# Altium PCB LimeSDR-Micro_mPCIe_1v3.PcbDoc (part 4 of 9)
Units mm, origin at the board's own origin, x right, y up, seen from the top; angles counter-clockwise.
Board outline 50.8 x 29.7 mm, 8 copper layers (Top, L2, L3, L4, L5, L6, L7, Bottom), stack 0.925 mm thick; 666 components, 390 nets, 2363 pads, 827 vias.
Unrouted connection lines stored in the file: 28.
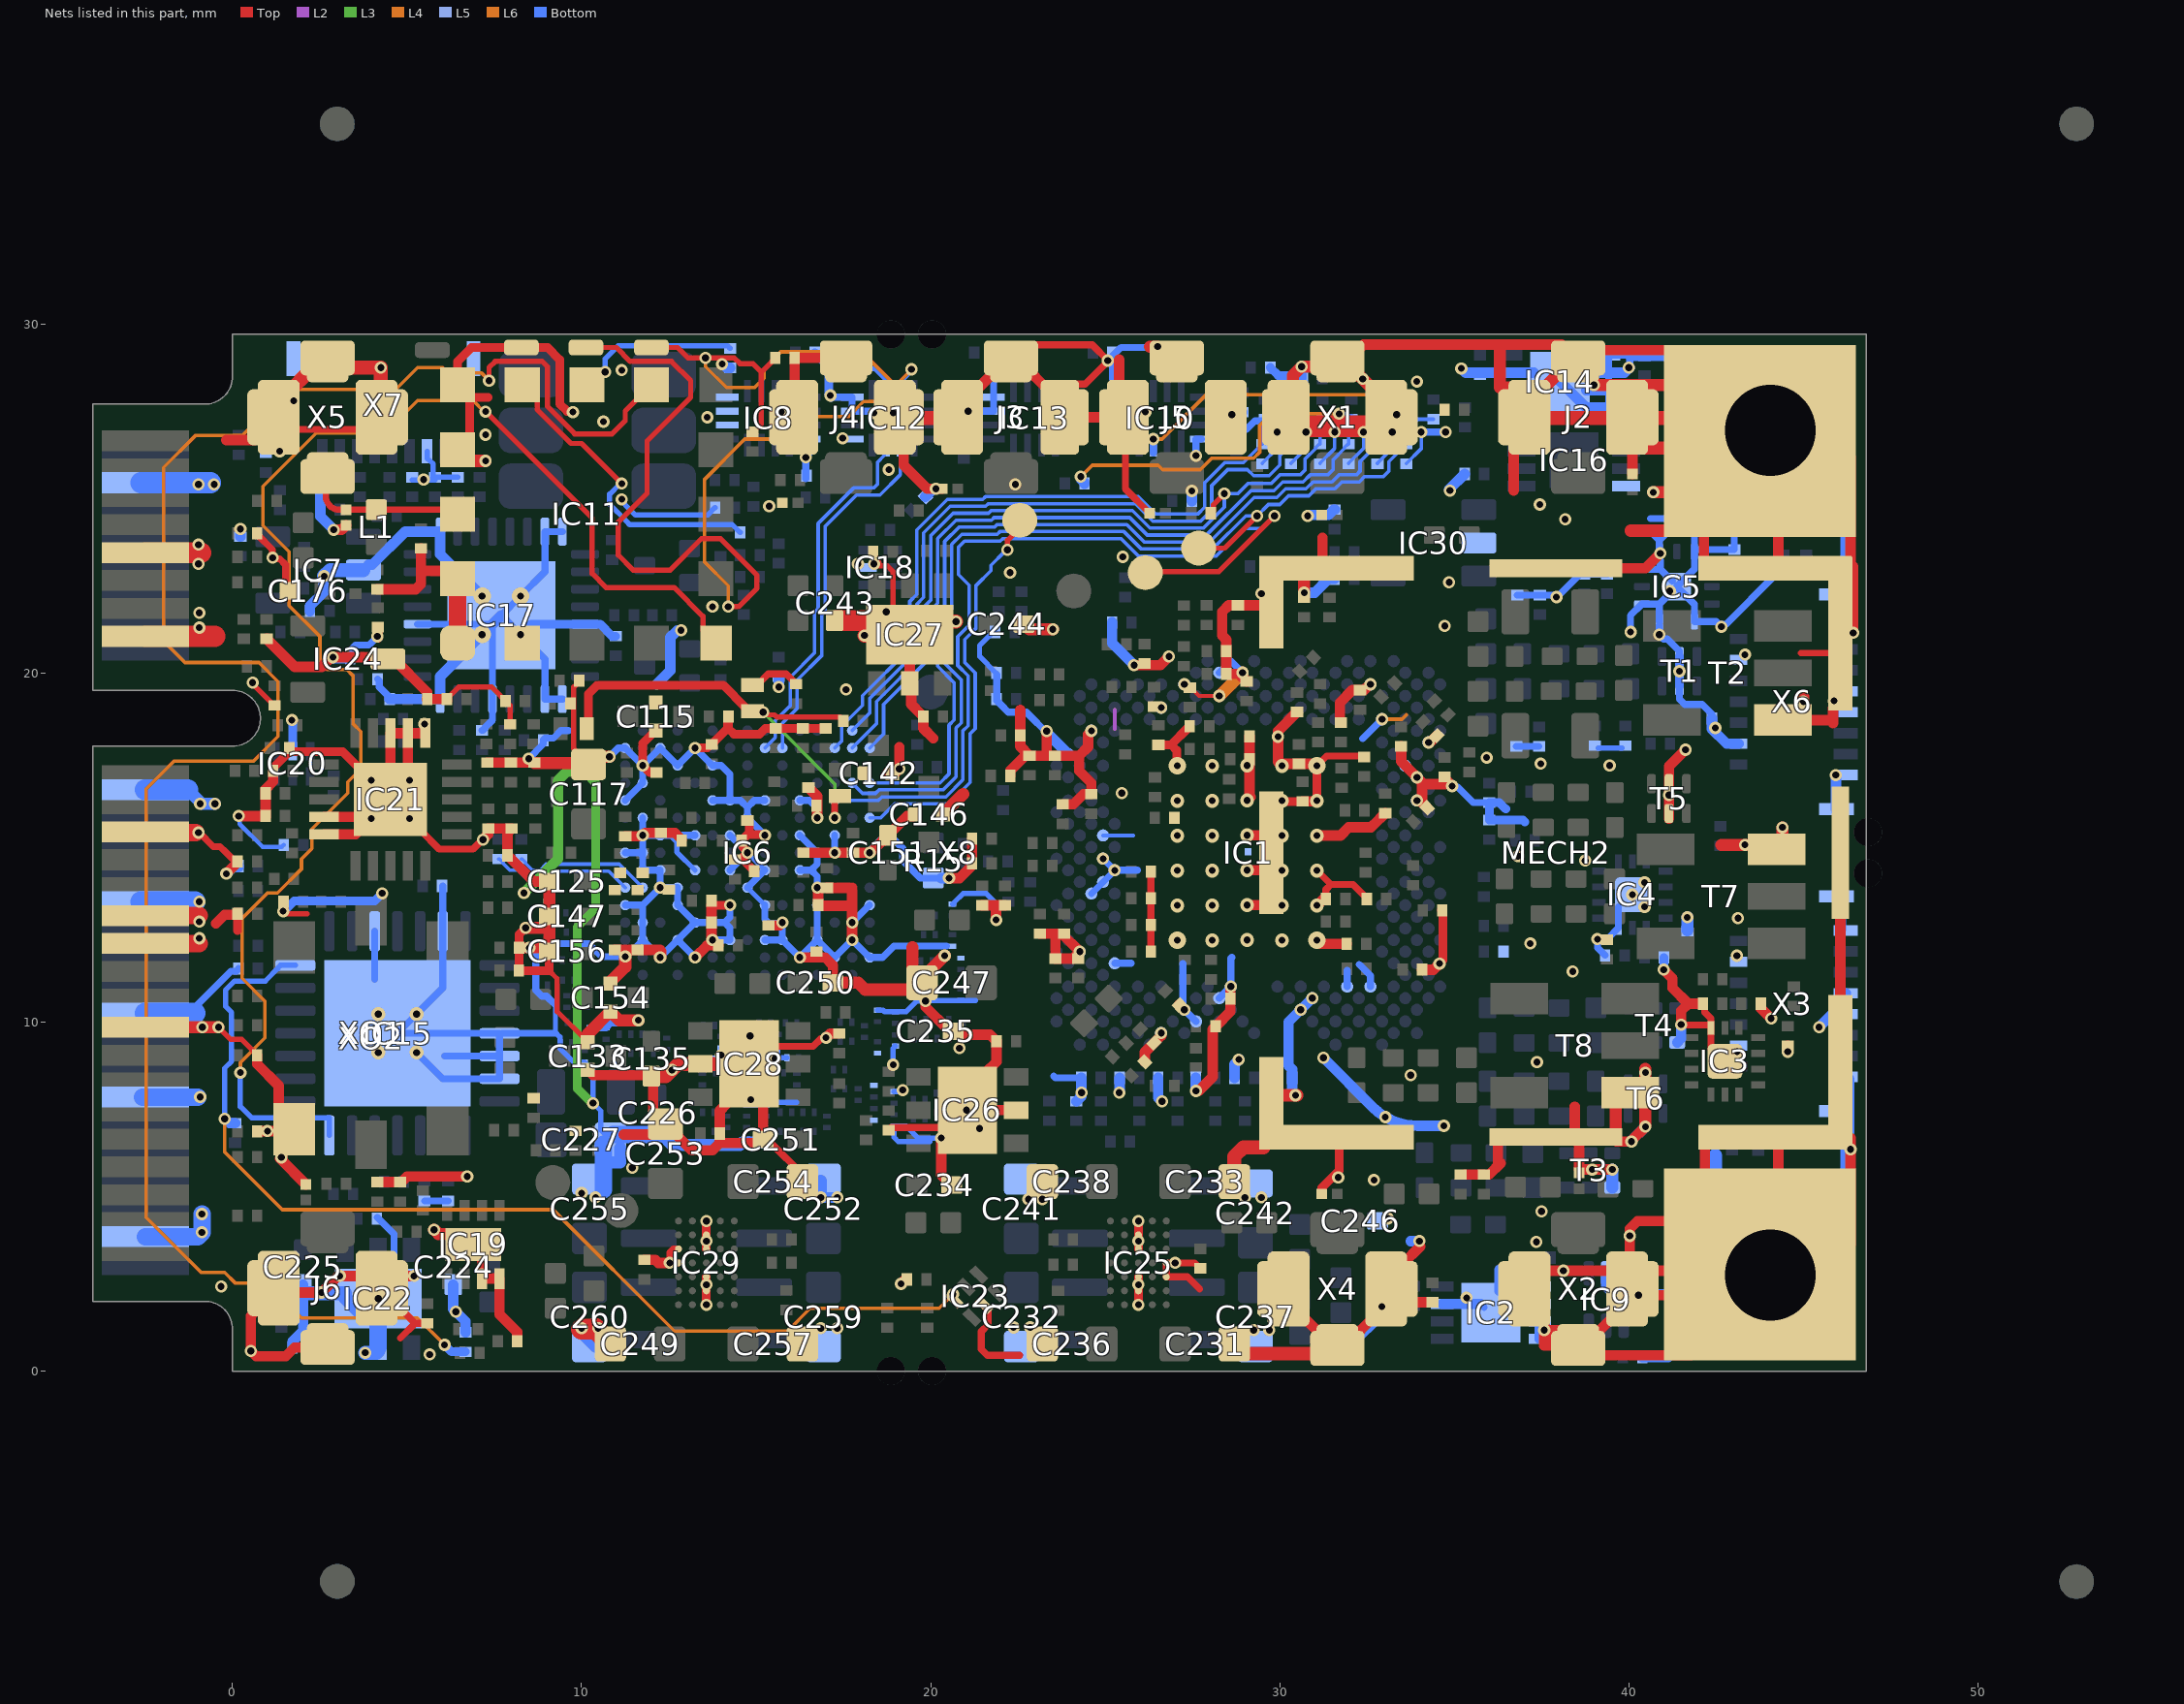
[diagram p10: the nets of this part, all layers, seen from the top]

## Via types
v1: diameter 0.35, hole 0.2, Top to Bottom, tented both sides, 668 vias
v2: diameter 0.35, hole 0.2, L5 to Bottom, tented both sides, 117 vias
v3: diameter 0.4, hole 0.2, Top to Bottom, tented both sides, 30 vias
v4: diameter 0.5, hole 0.2, Top to Bottom, tented both sides, 12 vias

## Nets (pads, with @x,y where several pads share a name; then routed paths per layer and width w, separated by ;. In a path a pad name is that pad's centre, name@x,y a point inside that pad or via, vN(x,y) a via of type N, cw(c..) or ccw(c..) an arc to the next point about the centre after c; other vN are vias at no path point) (continued)
GND: C1.1 C3.2 C4.1 C6.2 C7.1 C9.2 C11.1 C14.2 C16.1 C19.2 C21.1 C24.2 C26.1 C28.2 C29.1 C30.1 C31.2 C32.2 C33.1 C34.1 C35.2 C36.2 C37.2 C38.2 C42.2 C43.2 C44.2 C45.2 C46.2 C47.2 C48.2 C49.2 C50.2 C51.2 C52.2 C53.2 C54.2 C55.1 C56.2 C57.2 C58.2 C59.2 C60.2 C61.2 C62.2 C63.2 C64.2 C65.2 C66.2 C67.2 C68.2 C69.1 C70.2 C71.2 C72.2 C73.2 C74.2 C75.2 C76.1 C77.2 C78.1 C79.1 C80.2 C81.2 C82.2 C83.2 C84.2 C85.2 C86.2 C87.2 C88.2 C89.2 C90.2 C91.2 C92.2 C93.2 C94.2 C95.2 C96.2 C97.2 C98.2 C99.2 C100.2 C101.2 C102.2 C103.2 C104.2 C105.2 C106.2 C107.2 C108.2 C109.2 C113.2 C115.2 C117.1 C118.1 C119.1 C120.1 C121.1 C122.2 C125.1 C126.2 C127.2 C128.1 C129.1 C131.1 C132.2 C133.2 C134.1 C135.1 C136.1 C137.1 C138.1 C139.1 C140.1 C141.1 C142.2 C143.1 C144.1 C145.1 C146.2 C147.1 C148.2 C149.2 C150.1 C151.1 C152.1 C153.1 C154.2 C155.1 C156.1 C157.1 C158.1 C159.1 C160.1 C161.1 C162.2 C163.1 C164.2 C165.2 C166.2 C167.2 C168.2 C169.2 C170.1 C171.2 C172.1 C173.2 C174.2 C175.1 C176.1 C177.2 C178.2 C179.2 C180.2 C181.2 C182.1 C183.1 C186.1 C187.2 C188.1 C189.1 C190.1 C193.1 C194.2 C195.2 C196.1 C197.1 C198.2 C199.1 C200.1 C201.1 C202.2 C203.1 C204.2 C205.2 C206.1 C207.1 C208.1 C209.1 C210.2 C213.1 C214.1 C215.2 C216.1 C219.1 C220.1 C222.1 C223.2 C224.1 C225.1 C226.1 C227.1 C228.2 C229.2 C230.1 C231.1 C232.1 C233.1 C234.1 C235.1 C236.1 C237.1 C238.1 C239.1 C240.2 C241.1 C242.1 C243.1 C244.1 C245.1 C246.1 C247.1 C248.2 C249.1 C250.1 C251.1 C252.1 C253.1 C254.1 C255.1 C256.1 C257.1 C258.2 C259.1 C260.1 C261.2 C262.2 ESD1.2 ESD2.2 ESD3.2 ESD4.2 ESD5.2 ESD6.2 ESD7.2 ESD8.2 ESD9.2 IC1.AA31 IC1.AF32 IC1.AG29 IC1.AJ7 IC1.AJ9 IC1.AJ19 IC1.AK12 IC1.AK20 IC1.AL13 IC1.AL23 IC1.AM22 IC1.AN25 IC1.B18 IC1.B20 IC1.C7 IC1.C23 IC1.D20 IC1.E25 IC1.F6 IC1.G31 IC1.GND IC1.H2 IC1.J33 IC1.K4 IC1.L3 IC1.N3 IC1.T30 IC1.V30 IC1.W29 IC1.Y30 IC2.1 IC2.2 IC2.3 IC2.4 IC2.7 IC2.PAD IC3.7 IC3.EP IC4.7 IC4.EP IC5.1 IC5.3 IC5.4 IC5.6 IC5.10 IC5.12 IC5.EP IC6.B1 IC6.B3 IC6.B5 IC6.B11 IC6.B13 IC6.B15 IC6.C2 IC6.C4 IC6.C6 IC6.C7 IC6.C9 IC6.C10 IC6.C12 IC6.C14 IC6.D2 IC6.D5 IC6.D6 IC6.D10 IC6.D14 IC6.E1 IC6.E4 IC6.E7 IC6.E9 IC6.E12 IC6.E15 IC6.F3 IC6.F4 IC6.F8 IC6.F12 IC6.G2 IC6.G3 IC6.G5 IC6.G7 IC6.G9 IC6.G11 IC6.H1 IC6.H2 IC6.H8 IC6.H12 IC6.H13 IC6.H14 IC6.H15 IC6.J2 IC6.J3 IC6.J5 IC6.J7 IC6.J9 IC6.J11 IC6.J13 IC6.K2 IC6.K8 IC6.K12 IC6.L1 IC6.L6 IC6.L7 IC6.L9 IC6.L11 IC6.M2 IC6.N2 IC6.N4 IC6.N6 IC6.P1 IC6.P3 IC6.P5 IC7.2 IC8.6 IC8.7 IC8.8 IC8.16 IC9.2 IC10.7 IC10.8 IC10.16 IC11.1 IC11.2 IC11.4 IC11.5 IC11.16 IC12.5 IC12.7 IC12.8 IC13.7 IC13.8 IC14.1 IC14.2 IC14.3 IC14.4 IC14.7 IC14.PAD IC15.3 IC15.6 IC15.11 IC15.12 IC15.13 IC15.PAD IC16.4 IC17.4 IC17.9 IC17.15 IC17.16 IC17.21 IC17.25 IC17.26 IC17.29 IC17.32 IC18.2 IC19.3 IC19.4 IC19.PAD IC20.2 IC21.1 IC21.2 IC21.3 IC21.9 IC21.10 IC21.21 IC22.2 IC22.PAD IC23.2 IC24.3 IC25.A3 IC25.B3 IC25.C1 IC25.C3 IC25.D1 IC25.E3 IC25.F3 IC25.G3 IC26.2 IC26.PAD IC27.2 IC27.PAD IC28.2 IC28.PAD IC29.A3 IC29.B3 IC29.C1 IC29.C3 IC29.D1 IC29.E3 IC29.F3 IC29.G3 IC30.2 J2.2 J3.2 J4.2 J5.2 J6.2 MECH2.1 pad.2@8.275,29.325 R3.1 R15.1 R17.1 R25.1 R29.2 R32.1 R35.2 R38.2 R40.1 R45.2 R47.1 R52.2 R56.1 R62.2 R63.2 R64.2 R77.1 R85.2 R88.1 R99.2 R100.2 R101.2 R102.2 R103.2 R104.2 R105.2 R106.2 R107.2 R122.2 R123.2 R124.2 R125.2 R126.2 R127.2 R128.2 R129.2 R134.2 R135.1 R138.2 R141.1 R143.1 R146.2 R148.2 R158.1 R161.2 R165.2 R166.2 R174.1 R177.2 R178.2 R179.2 R192.2 R193.2 R196.2 R209.2 R212.2 R217.2 T1.2 T1.5 T2.3 T3.1 T4.1 T5.2 T5.5 T6.2 T6.5 T7.1 T8.3 X1.2 X2.2 X3.1 X3.4 X3.7 X3.9 X3.12 X3.15 X3.MP1 X3.MP2 X4.2 X5.2 X6.1 X6.4 X6.7 X6.9 X6.12 X6.15 X6.MP1 X6.MP2 X7.7 X7.MECH X8.0 X8.4 X8.9 X8.15 X8.18 X8.21 X8.26 X8.27 X8.29 X8.34 X8.35 X8.40 X8.50 XO1.2 XO2.2 | length 685.6
  Top w0.11: C99.2@27.425,19.58 27.45,19.58 27.686,19.344 28.264,19.344 v1(28.267,19.341)
  Top w0.15: v1(-0.4,9.85) -0.05,9.5 0.267,9.5 0.617,9.15 0.629,9.15 0.704,9.075 R141.1@0.704,9.05 ; v1(0.575,19.725) 0.575,19.683 R193.2@1.194,19.064 ; v1(1.45,13.175) 1.525,13.1 2.135,13.1 ; C220.1@6.145,19.262 6.483,19.6 7.42,19.6 7.95,19.07 C222.1@7.95,18.53 ; C220.1@6.22,19.2 C220.1@6.22,19.212 ; C220.1@6.22,19.25 C220.1@6.22,19.262 ; 9.07,11.47 9.3,11.24 9.3,10.3 C133.2@10.175,9.425 ; C117.1@9.925,17.42 9.798,17.547 9.798,17.815 9.775,17.838 9.775,19.595 9.93,19.75 C190.1@9.93,19.775 ; v1@18.5,23.175 v1@18.525,23.15 ; v1@18.525,23.075 18.75,23.075 18.925,22.9 IC27.PAD@18.925,21.75 ; J5.2@25.35,27.325 J5.2@25.575,27.1
  Top w0.18: 44.925,20.575 MECH2.1@46.25,20.575
  Top w0.2: v1@-0.95,15.425 -0.55,15.025 -0.355,15.025 -0.205,14.875 0.107,14.562 R174.1@0.122,14.547 ; R134.2@0.705,23.999 0.705,23.974 1.141,23.538 1.141,23.309 v1(1.15,23.3) 1.179,23.271 1.354,23.271 1.525,23.1 1.525,22.475 ccw(c1.65,22.475) C176.1@1.65,22.35 ; X5.2@0.975,26.975 X5.2@4.15,26.975 ; J6.2@4.65,1.95 5.23,1.37 ; 4.806,0.946 5.23,1.37 ; IC21.21@5.375,15.5 5.925,14.95 6.887,14.95 7.162,15.225 v1(7.175,15.225) ; C205.2@5.448,1.37 5.23,1.37 ; C190.1@9.93,19.775 9.93,19.8 C190.1@9.98,19.85 ; v1@12.509,3.1 v1(12.525,3.1) ; IC29.D1@12.775,3.1 v1(12.525,3.1) ; IC29.C1@12.775,3.5 12.625,3.5 12.525,3.4 v1(12.525,3.1) ; IC28.PAD@15.2,9.275 15.225,9.3 16.633,9.3 16.854,9.521 16.971,9.521 v1(17,9.55) ; C251.1@15.3,6.66 C254.1@16.468,5.493 ; R196.2@18.8,6.905 18.87,6.975 IC26.PAD@20.575,6.975 ; IC23.2@21.531,1.894 21.531,1.858 21.652,1.738 21.652,1.332 21.45,1.13 21.45,0.625 21.625,0.45 22.55,0.45 ; J3.2@22.9,29.4 24.63,29.4 v1@25.078,28.953 ; J3.2@24.025,28.275 24.425,28.275 v1@25.075,28.925 ; J5.2@25.575,27.1 25.575,25.275 ESD8.2@26.275,24.575 ; C60.2@26.307,12.015 C59.2@26.307,12.785 C62.2@26.307,13.54 C61.2@26.307,14.31 ; 27.702,2.356 27.358,2.7 IC25.C1@26.75,2.7 IC25.D1@26.75,3.1 v1(27,3.1) 27.565,3.1 C240.2@27.725,2.94 ; v3(31.065,14.34) 31.465,13.94 ; v4@31.122,17.397 31.345,17.62 32.397,17.62 C78.1@32.422,17.595 ; C76.1@31.32,13.525 31.32,13.795 31.465,13.94 ; C84.2@32.49,13.525 32.49,13.55 32.44,13.6 32.1,13.94 31.465,13.94 ; v1@41.5,9.914 IC3.7@42.35,9.914 ; C44.2@42.12,10.525 42.17,10.475 42.17,10.28 42.35,10.1 IC3.7@42.35,9.914 ; IC3.EP@42.35,9.225 IC3.7@42.35,9.827 IC3.7@42.35,9.914
  Top w0.25: 0.145,12.615 C213.1@0.145,13.075 ; C208.1@1.165,17.2 1.165,17.225 1.19,17.25 1.19,17.308 1.632,17.75 3.15,17.75 v4(3.975,16.925) IC21.21@4.525,16.375 ; IC11.5@6.175,27.9 7.325,27.9 ; IC11.4@6.45,26.4 6.8,26.75 6.8,27.9 IC11.5@6.45,28.25 6.45,28.925 6.85,29.325 pad.2@8.275,29.325 9.025,29.325 9.375,28.975 9.375,27.707 9.588,27.494 9.731,27.494 v1(9.75,27.475) ; C215.2@7.975,17.42 8.31,17.42 ; C195.2@8.205,11.47 9.07,11.47 C156.1@9.07,12.025 ; C195.2@8.205,11.475 C194.2@8.205,12.125 ; C194.2@8.215,12.125 8.215,12.515 v1(8.4,12.7) ; C156.1@8.975,12.125 C156.1@9.075,12.025 ; 9.075,12.7 C147.1@9.075,13.025 ; C154.2@10.825,11.1 C154.2@10.825,11.15 ; C115.2@12.125,18.35 11.75,17.975 v1(11.751,17.35) v1(11.751,17.35) 11.956,17.145 C121.1@12.15,17.145 ; v1(13.251,17.85) 13.595,17.85 13.7,17.955 C120.1@13.725,17.955 13.75,17.955 13.775,17.98 13.775,18.005 14.185,18.415 14.185,18.73 C119.1@14.205,18.75 14.205,18.41 14.365,18.25 15.1,18.25 15.26,18.41 C145.1@15.563,18.41 C144.1@16.338,18.41 C143.1@16.988,18.41 ; v1(13.575,1.9) IC29.F3@13.575,2.3 IC29.E3@13.575,2.7 ; IC29.C3@13.575,3.5 v1(13.575,3.725) IC29.B3@13.575,3.9 v1(13.575,4.3) ; C141.1@13.72,13.345 13.745,13.37 13.75,13.37 13.77,13.35 v1(14.251,13.35) ; C137.1@14.58,15.2 14.749,15.369 14.8,15.369 ; C137.1@14.605,15.175 14.605,15.023 v1@14.671,14.957 ; C129.1@14.75,15.77 14.775,15.77 14.8,15.745 14.8,15.369 ; v1(14.751,14.85) 14.62,14.719 14.62,14.65 C140.1@14.945,14.325 ; v1(15.251,15.35) 15.232,15.369 14.8,15.369 ; v1(25.95,1.9) IC25.B3@25.95,2.3 v1(25.95,2.475) IC25.C3@25.95,2.7 ; IC25.E3@25.95,3.5 v1(25.95,3.725) IC25.F3@25.95,3.9 v1(25.95,4.3) ; C52.2@26.524,17.941 26.886,17.941 ; v4(27.065,17.34) 27.045,17.36 27.045,17.781 26.886,17.941 ; C69.1@27.42,18.475 27.42,18.45 27.395,18.425 27.37,18.425 26.886,17.941 ; MECH2.1@30.065,16.32 R35.2@30.65,16.32 ; v3(31.065,16.34) v4(31.065,17.34) ; ESD3.2@31.2,5.075 31.2,5.248 31.7,5.748 31.7,6.634 MECH2.1@31.634,6.7 ; v1(34.575,11.675) 34.675,11.775 34.675,13.155 C104.2@34.63,13.2
  Top w0.3: -0.475,12.825 -0.225,13.075 C213.1@0.145,13.075 ; v1(-0.175,14.25) R174.1@0.122,14.547 ; -0.175,26.675 X5.2@0.625,26.675 ; v1@0.3,15.9 C209.1@0.82,15.9 ; R143.1@0.705,6.875 v1(1,6.875) XO1.2@1.37,6.875 ; R141.1@0.704,9.05 0.704,8.796 1.325,8.175 XO1.2@1.325,7.35 ; C209.1@0.92,15.875 0.945,15.875 C209.1@0.945,15.9 C207.1@0.945,16.55 0.945,16.669 1.165,16.889 C208.1@1.165,17.2 ; C229.2@0.975,20.977 1,20.977 1,20.952 1.777,20.175 2.557,20.175 2.832,20.45 v1(2.875,20.45) 4.575,20.45 5.58,19.445 C219.1@5.58,19.25 ; v1@1.363,6.088 ESD9.2@2.1,5.35 ; v1@1.465,13.175 C223.2@1.465,13.45 ; IC21.10@2.625,15.375 3.525,15.375 v4(3.975,15.825) ; IC21.9@2.625,15.875 IC21.21@3.975,15.875 ; J6.2@2.725,0.675 1.775,0.675 1.525,0.425 0.675,0.425 v1(0.525,0.575) 0.525,1.575 J6.2@1.325,2.375 1.45,2.25 v1(2.55,2.25) 3.025,2.725 v1(3.075,2.725) J6.2@4.225,2.725 ; v1(2.9,24.1) 3.125,24.1 ESD4.2@3.25,24.225 ; C204.2@4.15,5.415 4.78,5.415 R161.2@4.805,5.415 4.841,5.415 5.001,5.575 v1(6.725,5.575) ; C165.2@4.15,22.395 5.245,22.395 5.4,22.55 5.4,22.925 ; v1@4.16,21.025 C175.1@4.16,21.26 ; v1(4.175,2.075) 4.125,2.075 J6.2@4.425,2.375 ; IC21.21@4.525,16.925 IC21.3@4.525,18.275 IC21.2@5.025,18.275 ; J6.2@4.83,2.725 v1(5.2,2.725) ; IC21.21@5.025,16.925 IC21.2@5.025,18.275 ; C186.1@5.4,23.57 5.4,22.925 ; IC21.1@5.525,18.535 IC21.1@5.525,18.275 IC21.2@5.025,18.275 ; C219.1@5.562,19.25 C219.1@5.58,19.25 ; C220.1@6.132,19.25 C219.1@5.58,19.25 ; IC11.2@6.223,22.8 IC11.2@6.323,22.7 ; IC19.PAD@6.425,3.825 6.625,3.825 7.15,3.3 IC19.3@7.15,2.7 ; IC11.1@6.45,20.85 IC11.1@6.55,20.75 ; IC11.2@6.45,22.7 6.145,22.395 6.145,22.925 5.4,22.925 ; IC19.3@7.15,2.65 IC19.4@7.65,2.65 7.65,1.625 8.155,1.12 R158.1@8.155,0.85 ; v1(7.175,15.225) 7.325,15.375 C214.1@7.325,15.545 7.35,15.545 C210.2@8,15.545 7.88,15.425 R177.2@7.88,14.775 7.88,14.75 7.906,14.75 8.631,14.025 C125.1@9.075,14.025 ; R178.2@7.3,17.43 8.31,17.43 ; C215.2@7.975,17.43 C216.1@8.65,17.43 ; C194.2@8.205,12.125 C194.2@8.21,12.125 8.215,12.125 C156.1@8.975,12.125 ; C133.2@10.175,8.625 10.325,8.475 11.975,8.475 C135.1@12,8.45 12.05,8.4 12.05,7.375 12.35,7.075 C253.1@12.4,7.075 12.45,7.075 12.75,6.775 12.75,6.725 13.15,6.325 13.75,6.325 13.96,6.535 ; C157.1@10.95,12.07 C155.1@11.6,12.07 12.25,12.07 ; 11.2,6.775 C253.1@12.225,6.775 ; C118.1@11.25,15.32 11.721,15.32 v1(11.751,15.35) 11.821,15.42 C122.2@12.275,15.42 12.675,15.42 C139.1@12.87,15.225 ; C258.2@11.8,3.185 12.115,3.185 12.2,3.1 v1@12.509,3.1 ; v1(13.251,11.85) 13.601,12.2 C136.1@13.92,12.2 ; v1@13.72,12.294 R99.2@13.72,12.775 ; R99.2@13.72,12.85 C141.1@13.72,13.345 ; IC28.PAD@14.175,7.75 14.175,7.671 13.96,7.456 C256.1@13.96,6.805 13.96,6.535 ; 14.874,6.535 13.96,6.535 ; 14.875,6.535 15.1,6.535 C251.1@15.2,6.635 IC28.PAD@15.2,8.025 ; C149.2@15.35,12.77 15.671,12.77 v1(15.751,12.85) ; J4.2@16.105,27.555 C167.2@16.105,29.025 J4.2@17.575,29.025 ; v1@16.251,11.825 v1(16.251,11.85) 16.975,11.85 17.2,11.625 C250.1@17.2,11.125 ; C153.1@16.35,14.85 v1(17.251,14.85) C138.1@17.775,14.85 v1(18.251,14.85) 18.275,14.85 18.625,15.2 18.675,15.2 18.775,15.3 C151.1@18.775,15.35 18.775,15.4 18.875,15.5 18.925,15.5 19.325,15.9 19.5,15.9 C146.2@19.55,15.95 ; C113.2@16.5,16.72 16.751,16.469 v1(16.751,15.85) ; C148.2@16.775,13.33 v1@16.775,13.845 ; C148.2@16.875,13.33 17.751,13.33 ; v1(17,9.55) 17.12,9.67 R212.2@17.375,9.67 ; C150.1@17.025,13.845 17.725,13.845 ; v1(17.751,12.35) 17.751,12.6 v1(17.751,12.85) 17.751,13.33 ; 17.751,13.845 17.751,13.33 ; C142.2@18.75,17.125 18.975,17.125 v1(19.1,17.25) 19.1,17.875 ; v1(19.15,2.5) 19.275,2.625 C228.2@19.32,2.625 ; J4.2@19.225,26.825 19.225,25.95 19.9,25.275 ESD6.2@20.325,25.275 ; IC27.PAD@19.4,21.1 19.4,21.075 IC27.2@19.4,19.7 19.44,19.66 19.44,19.104 19.765,18.78 19.79,18.78 C245.1@19.79,18.755 19.79,18.41 20.075,18.125 ; v1(19.85,10.6) 19.85,10.436 C235.1@20.496,9.79 ; IC27.PAD@20.1,20.625 IC27.PAD@20.425,20.625 ; v1(20.3,6.675) 20.3,5.625 C234.1@20.6,5.325 ; v1@20.575,14.125 20.825,14.125 21.186,14.486 C93.2@21.186,14.541 C92.2@21.186,15.258 ; C235.1@20.646,9.636 21.699,9.636 21.865,9.47 21.89,9.47 C239.1@21.89,9.445 21.89,8.865 IC26.PAD@21.575,8.55 ; J3.2@21.3,28.1 J3.2@21.972,28.772 ; IC26.PAD@21.397,7.475 IC26.2@22.45,7.475 ; C95.2@21.475,13.34 C94.2@22.13,13.34 ; v1(21.875,12.925) 21.875,13.262 ; R25.1@22.28,17.05 22.28,17.205 C57.2@22.725,17.65 ; 22.565,18.939 22.565,17.895 C57.2@22.83,17.629 C58.2@23.4,17.629 ; J3.2@22.678,28.797 J3.2@23.35,28.125 ; C89.2@23.125,12.531 23.756,12.531 v1(24.271,12.015) 24.073,11.817 C96.2@23.575,11.817 23.575,12.521 ; v1(23.325,18.337) 23.325,17.704 C58.2@23.4,17.629 ; C51.2@23.785,16.238 24.088,16.238 24.38,16.53 C50.2@24.6,16.53 24.6,16.85 24.254,17.196 24.254,17.629 ; J3.2@24,27.325 J5.2@25.35,27.325 ; v1(24.604,18.342) 24.604,18.329 24.512,18.237 24.512,17.887 24.254,17.629 ; J5.2@25.4,28.025 25.4,28.975 ; v1(25.825,20.225) 26.575,20.225 v1(26.825,20.475) ; C108.2@26.135,8.86 26.135,9.14 C106.2@26.398,9.402 26.602,9.606 v1(26.602,9.684) ; C70.2@27.123,10.495 v1(27.268,10.35) ; v1@27.675,8.025 28.075,8.425 28.075,9.789 C102.2@28.161,9.875 28.161,9.9 28.186,9.9 28.586,10.3 C56.2@28.586,10.675 v1@28.586,10.988 ; C101.2@29.05,19.755 28.83,19.975 C81.2@28.469,19.975 C82.2@28.469,20.625 28.469,20.956 28.35,21.075 28.35,21.75 28.535,21.935 C53.2@28.8,21.935 MECH2.1@29.759,21.935 ; v3(29.065,13.35) MECH2.1@29.49,13.35 ; v3(29.065,14.35) MECH2.1@29.49,14.35 ; v3(29.065,15.35) MECH2.1@29.49,15.35 ; v3(29.065,16.35) v3@29.16,16.446 ; v3@29.135,16.446 C68.2@29.135,17.528 C67.2@29.135,18.18 ; X1.2@29.95,26.725 X1.2@30.55,26.725 ; v3(30.065,17.34) 29.95,17.455 v1(29.95,18.175) 29.95,18.336 C100.2@30.495,18.881 ; v3@30.065,17.395 C109.2@30.55,17.395 v4@31.065,17.395 ; X1.2@30.123,27.325 X1.2@30.377,27.325 ; X1.2@30.377,27.225 X1.2@33.177,27.225 ; R35.2@30.65,16.32 v3@31.065,16.32 ; X4.2@30.75,1.475 X4.2@31.245,0.98 ; v4(31.065,12.34) 31.165,12.24 C83.2@31.917,12.24 ; v3(31.065,13.34) 31.25,13.525 C76.1@31.32,13.525 ; v3(31.065,15.34) 31.74,15.34 31.975,15.575 32.612,15.575 32.677,15.64 32.681,15.64 C55.1@33.024,15.983 ; MECH2.1@31.225,23.062 31.225,23.875 ; C107.2@31.725,18.58 31.725,19.15 32.08,19.505 C65.2@32.3,19.505 32.414,19.505 32.583,19.674 v1(32.597,19.674) ; X1.2@31.875,28.875 32.405,29.405 38.07,29.405 J2.2@38.55,28.925 ; X4.2@32.105,0.955 X4.2@32.6,1.45 ; X4.2@32.925,1.97 C28.2@34.375,1.97 ; C63.2@33.475,17.895 33.475,17.464 v1(33.929,17.01) 34.075,16.864 34.075,16.283 C64.2@34.22,16.138 ; X4.2@33.525,3.075 v1@34.02,3.57 ; C75.2@34.08,11.5 34.4,11.5 v1(34.575,11.675) ; 34.2,16.814 34.725,16.814 ; v1@34.298,18.002 C98.2@34.498,18.202 ; C77.2@34.725,16.97 v1(34.937,16.758) ; C38.2@35.302,5.63 C37.2@35.85,5.63 ; C37.2@36,5.63 36.325,5.955 ; 36.25,5.955 MECH2.1@36.25,6.575 ; 36.3,28.2 J2.2@36.845,28.2 ; 36.7,25.225 36.7,26.875 J2.2@36.925,27.1 ; J2.2@37.15,27.325 37.125,27.3 J2.2@36.925,27.1 ; X2.2@37.25,2.875 v1(38.125,2.875) X2.2@40.025,2.875 ; J2.2@37.325,27.1 J2.2@36.925,27.1 ; 37.575,0.727 X2.2@38.275,0.727 ; 37.575,0.777 v1(37.575,1.175) ; X2.2@37.575,1.776 v1(37.575,1.175) ; 37.65,0.777 v1@37.65,1.175 ; X2.2@38.176,1.175 v1@37.65,1.175 ; MECH2.1@38.45,6.825 38.45,7.575 ; MECH2.1@38.575,6.525 38.575,5.775 v1(38.95,5.775) v1(39.525,5.775) ; X2.2@38.725,0.45 X8.0@41.779,0.45 ; J2.2@38.775,29.25 X8.0@44.44,29.25 ; v1(39,28.25) J2.2@39,28.95 ; X2.2@39.075,1.075 X2.2@39.57,1.57 ; MECH2.1@39.45,23 40.475,23 v1(40.9,23.425) ; J2.2@39.55,26.4 J2.2@40.1,26.4 ; MECH2.1@39.65,6.575 v1@40.05,6.575 ; v1(40.075,6.575) v1@40.05,6.575 ; ESD5.2@40.1,25.7 J2.2@40.1,26.4 ; J2.2@40.1,27.2 J2.2@40.1,26.4 ; J2.2@40.25,27.325 X8.0@45.915,27.325 ; v1(40.475,7) v1@40.05,6.575 ; v1(41,11.5) 41.25,11.25 41.25,10.975 41.7,10.525 ; T5.5@41.15,15.825 T5.5@41.15,15.975 v1(41.15,16.5) T5.2@41.15,16.825 41.15,17.325 v1(41.625,17.8) ; X8.0@41.179,2.875 X2.2@40.025,2.875 ; v1(41.5,9.925) 41.5,10.325 41.7,10.525 ; X8.0@41.65,4.3 40.25,4.3 40.025,4.075 v1(40.025,3.875) X2.2@40.025,2.875 ; C44.2@42.12,10.525 41.7,10.525 ; MECH2.1@42.15,23.275 42.15,24.075 X8.0@42.15,26.329 ; X8.0@42.175,3.421 MECH2.1@42.175,6.475 ; X8.0@43.329,2.175 v1(40.275,2.175) 40.025,2.425 X2.2@40.025,2.875 ; C45.2@43.78,10.525 43.78,10.395 v1(44.075,10.1) ; X8.0@44.284,3.646 MECH2.1@44.284,6.7 ; MECH2.1@44.284,23 X8.0@44.284,26.054 ; v1(44.55,9.15) C48.2@44.55,9.32 ; X8.0@45.215,26.4 J2.2@40.1,26.4 ; 45.275,18.65 45.7,18.65 ; 45.85,18.563 MECH2.1@45.85,18.987 ; MECH2.1@46.059,8.475 MECH2.1@46.059,8.575 MECH2.1@46.059,14.85 ; X8.0@46.35,3.621 v1(46.35,6.35) MECH2.1@46.35,6.675 ; X8.0@46.35,26.179 46.35,23.125 46.425,23.05 v1(46.425,21.15) ; C58.2@23.4,17.629 C58.2@23.564,17.629 24.254,17.629 ; v1(37.575,1.175) v1@37.65,1.175
  Top w0.35: X8.35@-3.485,9.85 X8.35@-2.5,9.85 v1(-0.865,9.85) v1(-0.4,9.85) ; v1(1.4,6.125) XO1.2@1.4,6.495 ; v1(5.775,4.05) 5.9,3.925 6.325,3.925 IC19.PAD@6.425,3.825 ; IC11.4@6.65,26.075 v1(7.25,26.075) ; v1(8.4,12.7) 9.075,12.7 C156.1@9.075,12.025 ; C216.1@8.645,17.42 9.925,17.42 10.155,17.42 C117.1@10.2,17.375 10.425,17.6 v1(10.8,17.6) ; C147.1@9.075,13.025 C125.1@9.075,14.025 ; C133.2@10.175,9.425 10.175,9.65 C154.2@10.825,10.3 11.075,10.05 v1(11.625,10.05) ; C154.2@10.825,11.15 11.251,11.576 v1(11.251,11.875) ; v1(12.251,11.85) v1@12.251,12.02 ; C250.1@17.2,11.125 17.925,11.125 18.122,10.928 19.553,10.928 C247.1@19.75,11.125 ; 19.475,12.135 19.475,10.975 v1(20.4,11.9) ; C146.2@20.35,15.95 20.93,16.53 ; C244.1@22.675,21.4 22.825,21.25 v1(23.5,21.25) ; J5.2@26.276,29.35 v1(26.5,29.35) ; MECH2.1@29.886,7.802 29.984,7.9 v1(30.45,7.9) v1@30.5,7.9 ; X1.2@30.123,26.925 X1.2@33.177,26.925 ; X1.2@30.377,27.325 30.377,28.527 v1(30.625,28.775) X1.2@30.974,28.775 ; C66.2@30.7,22.18 v1(30.7,22.3) MECH2.1@30.7,23.075 ; X1.2@32.128,28.672 v1(32.375,28.425) X1.2@32.622,28.178 ; 36.3,28.175 36.3,28.2 36.3,29.375 ; J2.2@37.625,28.225 J2.2@38.15,28.75 ; v1(39,28.25) X8.0@44.665,28.25 ; MECH2.1@39.625,6.9 T8.3@39.625,7.675 ; 40.05,24.075 42.15,24.075 X8.0@42.175,24.075 ; J2.2@40.425,26.45 X8.0@41.925,26.45 ; v1@40.475,7.05 v1(40.475,8.55) v1@40.475,8.65 ; v1(40.7,25.175) X8.0@41.7,25.175 ; 42.653,15.075 v1(43.325,15.075) 44.098,15.075 T7.1@44.228,14.945 44.4,15.117 v1(44.4,15.575) ; T2.3@45,19.042 v1(45,19.175) v1@45,19.325